# Altium PCB SEC_3002_DZ&HL.PcbDoc (part 2 of 7)
Units mm, origin at the board's own origin, x right, y up, seen from the top; angles counter-clockwise.
Board outline 200 x 170 mm, 2 copper layers (Top Layer, Bottom Layer); 589 components, 413 nets, 1696 pads, 1215 vias.
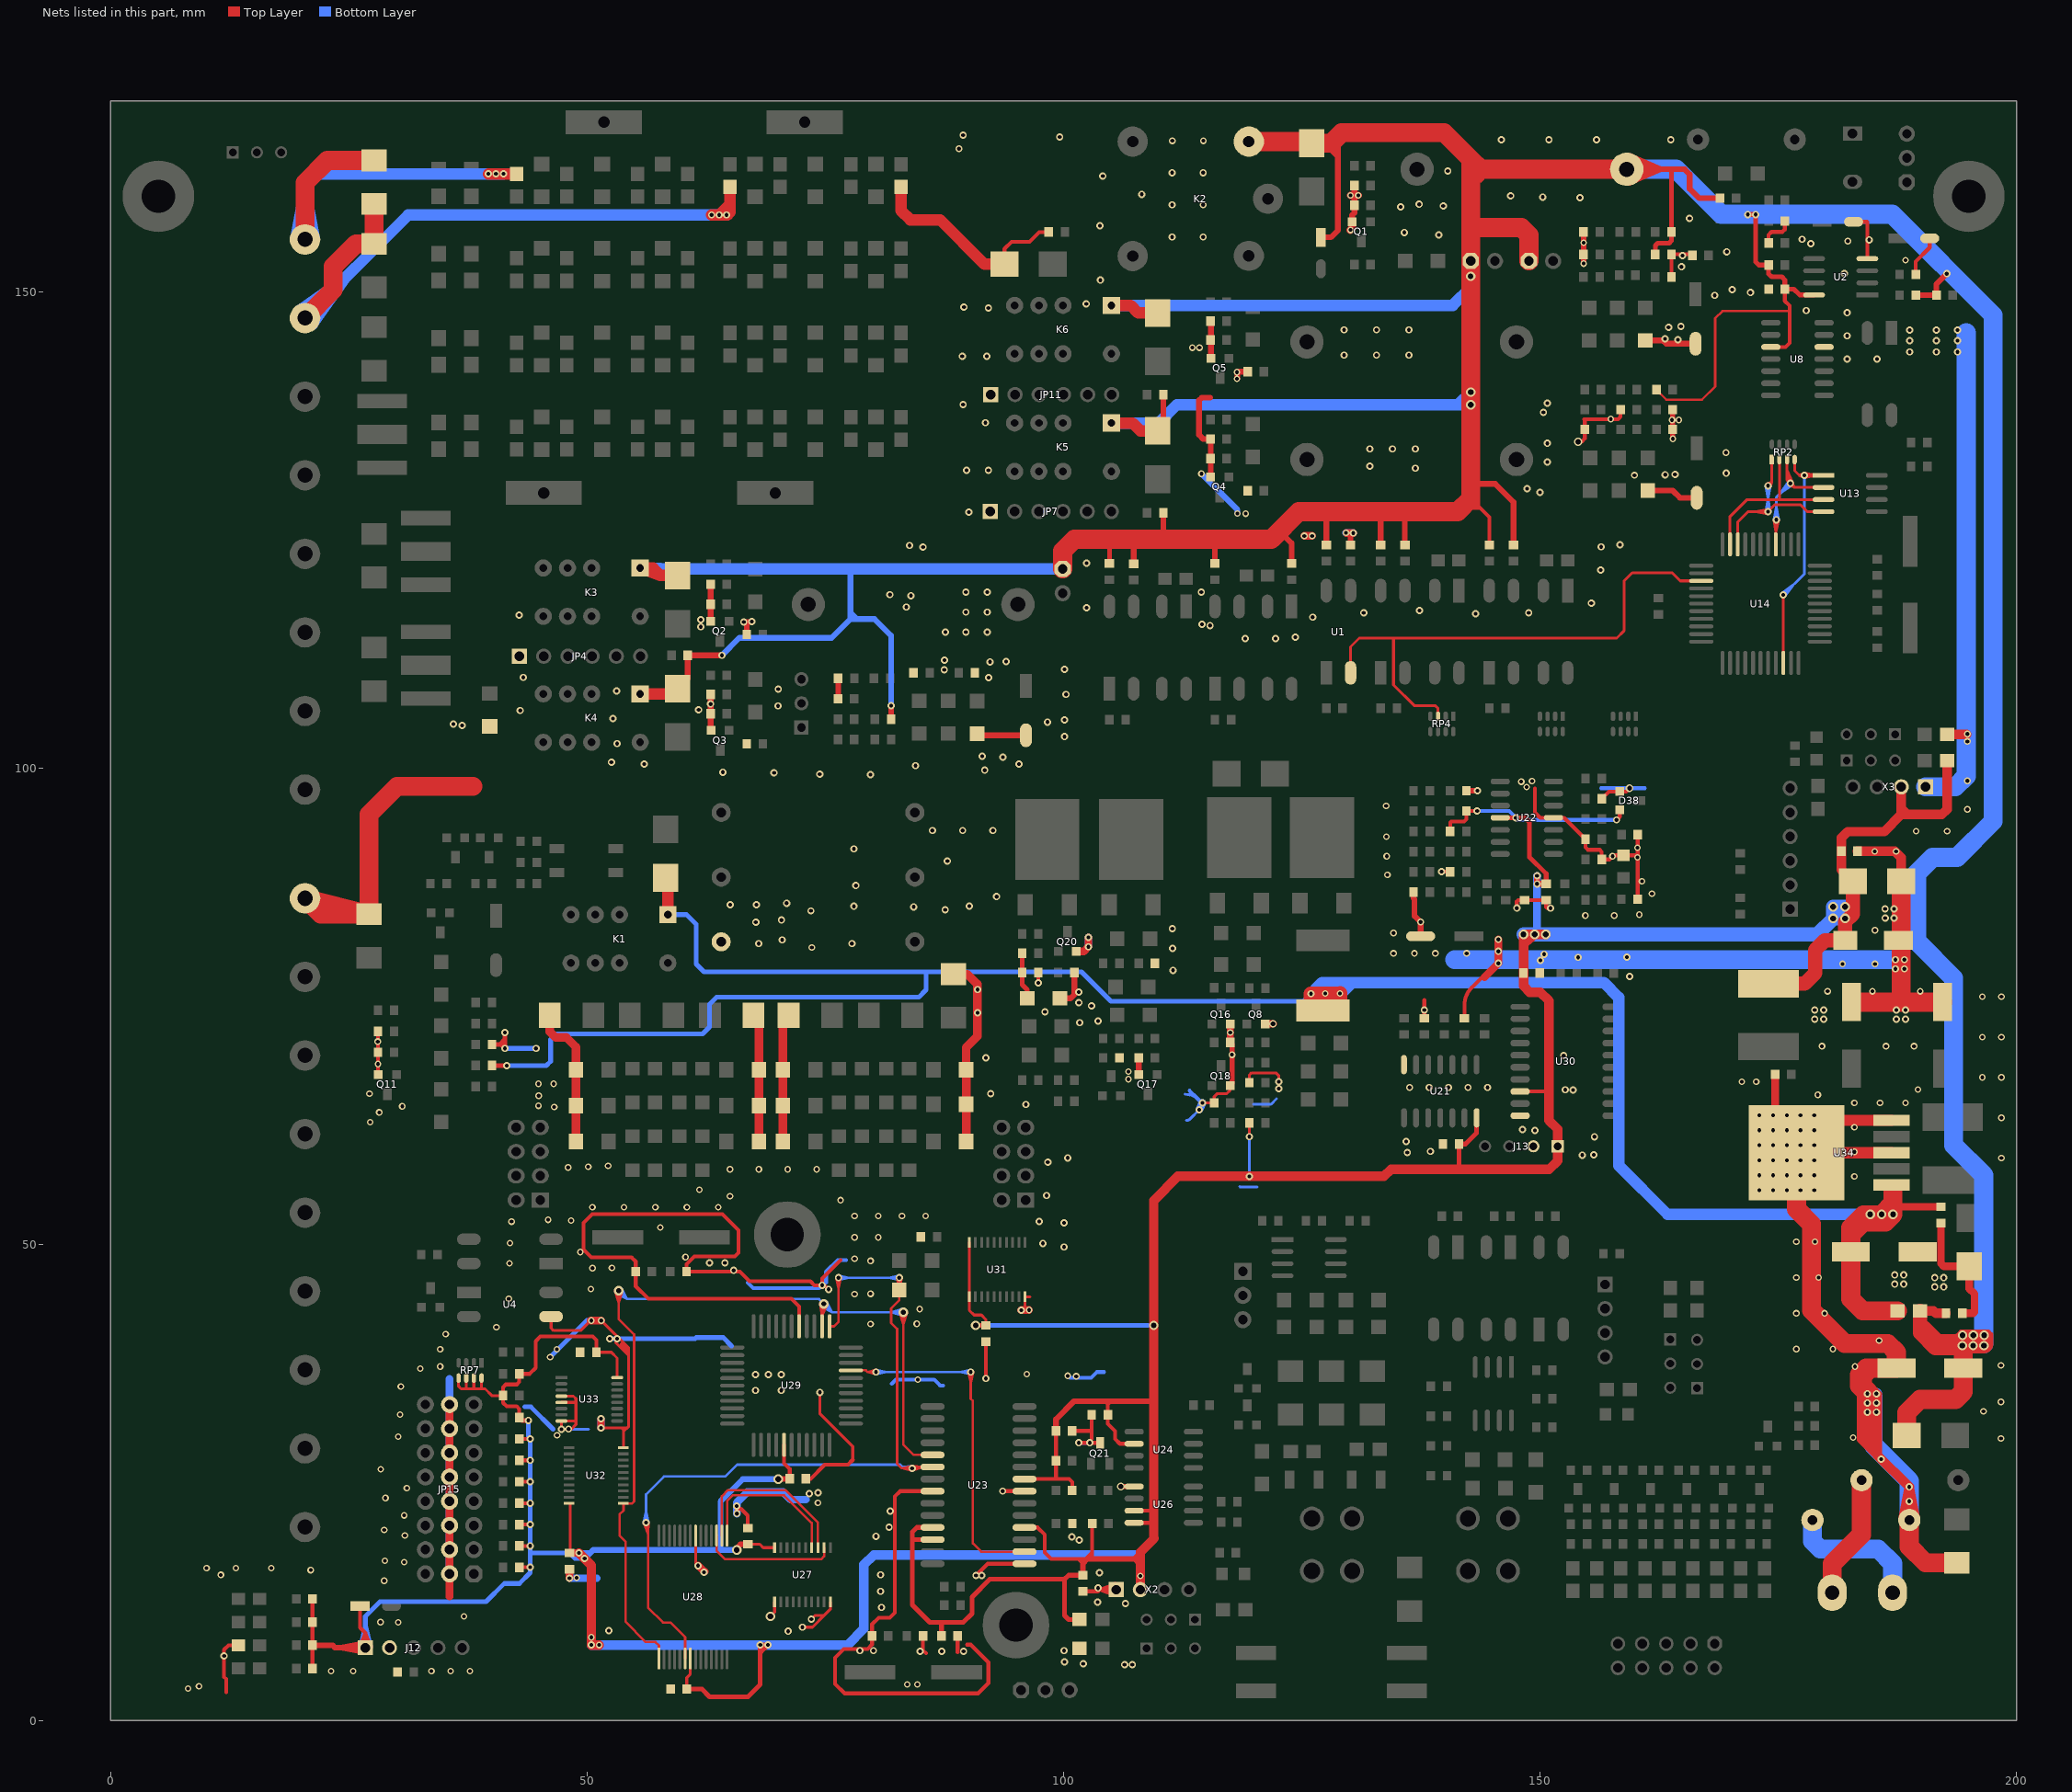
[diagram p2: the nets of this part, all layers, seen from the top]

## Part data
C1 C6 C8 C9 C10 C11 C12 C16 C17 C18 C19 C20 C22 C23 C24 C25 C26 C27 C28 C30 C31 C32 C33 C34 C35 C36 C37 C39 C40 C41 C42 C43 C44 C45 C46 C47 C48 C49 C50 C51 C52 C53 C55 C56 C57 C58 C59 C60 C61 C62 C63 C64 C65 C66 C67 C68 C69 C70 C72 C73 C79 C80 C81 C82 C83 C84 C85 C86 C87 C88 C89 C90 C91 C92 C93 C94 C95 C96 C97 UC1 UC2 UC3 UC4 UC5 UC6 UC7 UC8 UC9 UC10 VC1 VC2 VC3 VC4 VC5 VC6 VC7 VC8 VC9 VC10 VC11 VC12 VC13 VC14 VC15 VC16 VC17: library part CAP, "Capacitor"
C2 C4 C5 C7 C14 C15 C29 C38 C54 C71 C74 C75 C76 C77 C78: library part ELECTRO1, "Electrolytic Capacitor"
C3 C13: library part Cap, "Capacitor"
D1 D2 D3 D7 D10 D11 D14 D17 D22 D31 D32 D33 D34 D35 D36 D37 D44 D45 D46 D48 D49: library part DIODE_A, "Diode"
D4 D9: library part Diode, "Default Diode"
D5 D15 D20: library part DIODE, "Diode"
D6 D8 D12 D13 D16 D18 D19 D21 D23 D30: library part DIODE, "DIODE"
D24 D25 D26 D27 D28 D29 D47 D50 D51 D52 D53 D54 D55 D56: library part TVS
D41 D42 D43: library part TVS_SMALL
DB1: library part MB1S
DZ1 DZ2 DZ3 DZ4 DZ5 DZ6: library part ZENER3, "Zener Diode"
F1 F2 F3 F4: library part FUSE1, "Fuse"
F5 F6 F7: library part RXE110, "PTC"
G1 G2 G3: library part GDT
H1 H2 H3 H4 H5 H6 H7 H8: library part LED
J1: "Header, 3-Pin"
J2 J3 J4 J6 J7 J15: "Header, 2-Pin"
J5: library part J-6
J8: library part CON10, "Connector"
J9 J10: library part CON4, "Connector"
J12 J13 J14: "Connector"
JP2 JP3 JP6 JP10: library part JUMPER, "Jumper"
JP4 JP7 JP11: library part JUMP-6
JP15: library part "SW DIP8-3"
K1 K3 K4 K5 K6: library part RELAY-DPDT
K2: library part RELAY-SPDT
L1: library part L
L2 L3 L4 L5 L6 L7 L8 L10 L11 L12 L14 L15 L16 L18 L19 L20 L22 L23 L24 L25 L26 L27 L31 L37 L41 L45 L46 L47 L48 L49 L50 L51 L52 L53 L54 L55 L56 L57 L58 L59 L60 L61 L62 L63 L64 L65 L66 L67 L68 L69 L70 L71 L72 L73 L74: library part INDUCTOR
L9 L13 L17 L21: library part INDUCTOR2
L28 L29 L30 L32 L33 L34 L35 L36 L42 L43 L44: "60Ω-3A-[0805]"
L38 L39: library part "INDUCTOR IRON"
L40: library part INDUCTOR1
Q1 Q2 Q3 Q4 Q5 Q6 Q8 Q11 Q13 Q14 Q15 Q16 Q17 Q18 Q20 Q22 Q23 Q24 Q25 Q26 Q27 Q28: library part NPN, "NPN Transistor"
Q7 Q9: library part MOSFET-P, "P-channel mosfet"
Q10: library part PNP_A, "PNP Transistor"
Q12: library part PNP, "PNP Transistor"
Q19: library part MOSFET-N1
Q21: "2SA1015-[SOT-23]"
R1 R2 R3 R4 R5 R6 R7 R8 R9 R10 R11 R13 R14 R15 R16 R17 R18 R19 R20 R21 R22 R23 R24 R25 R27 R28 R29 R30 R31 R32 R33 R34 R35 R36 R38 R39 R40 R41 R42 R43 R44 R45 R46 R47 R49 R50 R51 R52 R53 R54 R55 R56 R57 R58 R59 R60 R61 R62 R63 R64 R65 R66 R67 R68 R69 R70 R71 R72 R74 R75 R76 R77 R78 R79 R81 R82 R83 R84 R85 R86 R87 R88 R89 R91 R92 R93 R94 R95 R96 R97 R98 R99 R100 R101 R102 R103 R104 R105 R106 R107 R108 R109 R110 R111 R112 R113 R114 R115 R116 R117 R118 R119 R120 R121 R122 R123 R124 R125 R126 R127 R128 R129 R130 R131 R132 R133 R134 R135 R136 R137 R138 R139 R140 R141 R142 R143 R144 R145 R146 R147 R148 R149 R150 R151 R152 R153 R154 R155 R156 R157 R158 R159 R160 R161 R162 R163 R164 R165 R166 R167 R168 R169 R170 R171 R172 R173 R175 R176 R177 R178 R179 R180 R181 R182 R183 R184 R185 R186 R187 R188 R189 R190 R191 R192 R193 R194 R195 R196: library part RES2
R73 R80: library part RES, "RES"
RP2 RP4 RP5 RP6 RP7: library part RP4, "RES PACK"
U1 U3 U4 U5 U6 U7 U9 U10 U11 U12 U16 U17 U18 U19 U20: library part TLP521-1
U2: library part ST393
U8: "Operational Amplifier"
U14: library part PIC16C74-04/PQ(44), "40-Pin EPROM-Based 8-Bit CMOS Microcontroller"
U15: library part MAX485
U21: library part 74LS14
U22: library part LM124
U24 U26: library part 6N137_1, "6N137-[DIP-8]"
U25: library part 82C250
U28: library part 62256_Type1_Forward
U29: library part STC89C51RD
U31: library part 74LS273
U32: library part 74LS245
U33: library part 74ALS138
X1 X2 X3: library part B0505S-1W, "B050S-1WR"
Y1 Y2 Y3: library part CRYSTAL, "Crystal"

## Free pads (board coordinates)
  round 7.5 hole 3.5: 0(5,160) 0(195,160)
  round 7 hole 3.5: 0(71,51) 0(95,10)
  rect 8x2.5 hole 1.2 slot 5 at 0 deg: 1(51.755,167.783) 2(72.826,167.783) 3(45.444,128.862) 4(69.738,128.862)

## Via types
v1: diameter 0.762, hole 0.406, Top Layer to Bottom Layer, tented both sides, 786 vias
v2: diameter 0.7, hole 0.4, Top Layer to Bottom Layer, tented both sides, 375 vias
v3: diameter 1, hole 0.6, Top Layer to Bottom Layer, tented both sides, 41 vias
v4: diameter 0.9, hole 0.5, Top Layer to Bottom Layer, tented both sides, 4 vias
v5: diameter 0.8, hole 0.5, Top Layer to Bottom Layer, tented both sides, 4 vias
v6: diameter 1.016, hole 0.508, Top Layer to Bottom Layer, tented both sides, 3 vias
v7: diameter 0.9, hole 0.6, Top Layer to Bottom Layer, tented both sides, 1 vias
v8: diameter 0.762, hole 0.5, Top Layer to Bottom Layer, tented both sides, 1 vias

## Nets (pads, with @x,y where several pads share a name; then routed paths per layer and width w, separated by ;. In a path a pad name is that pad's centre, name@x,y a point inside that pad or via, vN(x,y) a via of type N, cw(c..) or ccw(c..) an arc to the next point about the centre after c; other vN are vias at no path point)
9.1V: DZ3.K R113.1 R117.2 | length 4.9
  Top Layer w0.5: R117.2@95.651,80.541 R113.1@95.651,78.52 95.651,77.236 96.19,76.697 DZ3.K@96.19,75.816
24VGND: C1.2 C3.2 C4.2 C5.2 C6.2 C7.2 C8.2 C9.2 C10.2 C11.2 C15.2 C16.2 C17.2 C18.2 C29.2 C30.2 C31.2 C32.2 C33.2 C34.2 C35.2 C36.2 C37.1 C38.2 C39.1 C40.1 C41.1 C42.2 C43.2 C44.2 C45.1 C46.1 C47.1 C48.2 C49.2 C50.2 C52.2 C53.1 C54.2 C56.2 C58.1 C64.1 C65.1 C68.2 C69.2 C70.2 C72.2 C73.2 C74.2 C75.2 C76.2 C77.2 C78.2 C79.2 C80.2 C83.2 C97.2 D1.A D6.A D16.A D21.A D24.K D26.A D27.K D29.A D38.B D47.A D48.A D49.A D53.K DZ3.A H6.K J2.2 J12.2 J13.2 JP4.1 JP7.1 JP11.1 JP15.B1 JP15.B2 JP15.B3 JP15.B4 JP15.B5 JP15.B6 JP15.B7 JP15.B8 L35.1 L41.2 L43.1 L47.2 Q1.E Q2.E Q3.E Q4.E Q5.E Q8.E Q11.E Q16.E Q17.E Q18.E Q20.E Q21.3 R5.1 R6.2 R11.1 R15.1 R16.1 R20.2 R23.1 R24.2 R31.2 R35.2 R36.2 R41.2 R45.1 R46.2 R52.1 R53.2 R67.2 R84.2 R88.1 R89.2 R96.2 R98.1 R103.1 R111.1 R114.1 R116.1 R120.1 R125.1 R130.1 R136.1 R142.2 R143.2 R144.2 R152.1 R173.1 R175.1 U2.4 U4.3 U8.12 U21.7 U22.11 U23.8 U23.15 U23.21 U26.5 U27.1 U27.10 U28.14 U29.16 U30.10 U31.10 U32.10 U33.4 U33.5 U33.8 U34.0 U34.3 U34.5 UC1.2 UC2.2 UC3.2 UC4.2 UC5.2 UC6.2 UC7.2 UC8.2 UC9.2 UC10.2 VC17.1 X2.1 X3.1 | length 939.4
  Top Layer w0.3: U4.3@46.208,42.39 46.208,41.179 46.466,40.922 49.303,40.922 v2@50.363,41.981 ; U33.5@47.303,33.383 48.79,33.383 ; U33.4@47.303,34.033 48.559,34.033 48.819,33.773 48.819,31.061 48.314,30.555 v1(47.303,30.555) U33.8@47.303,31.433 48.814,31.433 ; v1(51.453,30.716) 53.567,30.716 ; v2(51.477,41.981) 54.355,39.104 54.355,38.718 ; 52.985,39.679 54.355,38.309 ; 53.554,39.519 54.355,38.718 ; U32.10@53.807,28.634 53.807,30.328 ; 54.116,30.716 53.567,30.716 ; v1@61.379,16.452 U28.14@61.379,19.407 ; v3(69.233,10.924) 69.666,11.357 U27.1@69.666,12.433 ; v1(72.595,9.792) 73.645,9.792 74.883,11.03 ; v1(73.529,10.619) 73.941,11.03 74.883,11.03 ; v1(74.411,34.441) 74.411,32.222 77.87,28.763 77.87,27.357 ; U27.10@75.516,12.433 75.516,11.663 74.883,11.03 ; 95.949,43.136 U31.10@95.949,44.479 96.48,44.479 ; v1(114.563,64.831) R103.1@115.803,64.831 115.803,65.478 116.131,65.807 117.125,65.807 117.485,66.167 Q18.E@117.485,66.657 ; R116.1@119.487,66.947 119.487,67.748 119.722,67.983 122.282,67.983 122.57,67.695 v1(122.57,67.052) v1(122.57,66.319) ; 53.567,30.716 53.807,30.475 53.807,30.328 ; 53.807,30.328 54.355,30.876 54.355,38.309 ; 54.355,38.309 54.355,38.718
  Top Layer w0.4: 12.112,2.961 12.112,4.341 11.891,4.562 v1(11.891,6.782) 11.891,7.423 12.357,7.889 H6.K@13.386,7.889 ; Q11.E@28.039,67.829 R52.1@28.039,70.137 C11.2@28.039,72.346 ; 61.411,44.258 59.17,44.258 ; v1(65.696,22.492) 65.706,22.481 v1(65.706,21.713) ; v1@65.709,22.227 66.146,22.227 66.86,21.513 C72.2@66.86,20.192 ; U29.16@72.237,41.371 72.237,43.452 71.431,44.258 59.17,44.258 ; UC8.2@72.953,25.363 73.445,25.363 74.924,26.841 77.354,26.841 77.87,27.357 ; v1(75.348,45.25) 74.913,45.685 v1(74.659,45.685) ; 76.578,48.317 74.659,46.398 v1(74.659,45.685) ; C65.1@85.239,8.862 85.239,7.368 85.556,7.05 ; U23.8@86.24,24.065 82.838,24.065 82.284,23.512 82.284,11.304 81.757,10.776 80.587,10.776 79.898,10.088 C64.1@79.898,8.862 79.898,7.962 79.434,7.497 76.917,7.497 76.009,6.589 76.009,3.839 77.011,2.836 91.019,2.836 92.109,3.926 92.109,6.091 90.243,7.957 89.848,7.957 ; 88.88,7.157 UC5.2@88.88,8.862 ; v1(91.413,15.223) v1(90.807,15.223) 92.03,16.445 U23.15@95.892,16.445 ; v1(91.842,35.896) UC3.2@91.842,39.769 ; v1@93.604,24.065 U23.21@95.892,24.065 ; D1.A@93.793,152.866 93.793,154.475 94.532,155.215 96.411,155.215 97.44,156.244 ; 97.705,156.244 97.44,156.244 ; C1.2@98.436,156.244 97.44,156.244 ; C58.1@100.898,30.396 102.858,30.396 ; v1(101.58,29.145) v1(102.739,29.145) Q21.3@103.831,29.145 ; C68.2@102.025,13.546 103.597,13.546 v1@103.777,13.726 ; 102.94,29.545 UC2.2@102.94,32.077 ; X2.1@105.415,13.135 v1@103.777,13.726 ; X2.1@105.415,14.317 v1@103.777,13.726 ; C36.2@137.853,73.713 v1(137.853,74.57) 137.853,75.611 ; v1(139.666,89.093) R130.1@140.568,89.093 ; C35.2@142.07,73.713 142.07,75.116 cw(c144.61,75.116) 142.813,76.912 145.244,79.343 ; v1(147.564,85.275) 147.564,85.982 147.699,86.117 C52.2@148.364,86.117 ; C52.2@148.688,86.117 UC1.2@150.646,86.117 150.646,85.37 150.787,85.229 v1@151.116,85.229 ; 149.462,97.84 149.462,95.311 150.018,94.755 U22.11@151.414,94.755 152.525,94.755 C56.2@154.773,92.507 154.773,91.645 155.019,91.399 156.252,91.399 156.473,91.177 C53.1@156.473,90.382 157.29,90.382 157.726,90.818 C54.2@158.774,90.818 v2@160.2,90.818 ; v7(154.006,134.221) 154.369,134.221 154.694,134.546 C16.2@154.694,135.529 154.694,136.504 154.619,136.579 158.183,136.579 158.456,136.852 C17.2@158.456,137.609 ; R136.1@156.473,96.756 157.221,97.503 D38.B@158.367,97.503 159.04,97.503 v5(159.394,97.857) ; R142.2@160.238,86.206 160.252,86.221 R144.2@160.252,93 ; C30.2@163.794,151.516 C33.2@163.794,153.9 R84.2@165.871,153.9 ; R16.1@173.989,155.09 173.989,155.951 174.292,156.254 175.441,156.254 175.689,156.503 R15.1@175.689,157.388 ; C5.2@182.91,157.313 184.316,157.313 184.352,157.277 U2.4@184.352,153.447 ; R11.1@189.436,151.793 189.436,153.155 190.897,154.617 C4.2@190.897,155.578 ; 59.17,44.258 56.417,44.258 55.091,45.583 C69.2@55.091,47.12 55.091,48.162 54.654,48.599 50.45,48.599 49.604,49.445 49.604,52.23 50.517,53.142 64.199,53.142 65.87,51.471 65.87,49.087 65.491,48.708 61.233,48.708 60.422,47.897 C70.2@60.422,47.12 66.012,47.12 67.041,46.091 73.429,46.091 73.834,45.685 v1(74.659,45.685) ; v1@103.777,13.726 X2.1@105.519,13.726 v1@103.777,13.726
  Top Layer w0.5: R53.2@40.01,70.958 40.848,70.958 ; v1(41.373,72.221) 41.373,71.483 ; v5(106.007,24.559) U26.5@107.402,24.559 ; R111.1@117.503,71.18 117.689,70.993 Q18.E@117.689,66.861 ; v2@163.919,134.558 R41.2@163.919,135.529 R67.2@163.919,137.609 ; 40.848,70.958 41.373,71.483 ; 40.848,70.958 40.961,70.958 v1(41.373,70.547) 41.373,71.483
  Top Layer w0.6: Q3.E@62.957,103.964 R36.2@62.957,105.696 C10.2@62.957,107.704 ; Q2.E@62.957,115.396 R23.1@62.957,117.178 C9.2@62.957,119.266 ; v1(66.434,115.311) v1@67.237,115.311 ; R24.2@66.744,114.002 66.744,115.001 ; R31.2@76.338,107.256 C8.2@76.338,109.385 ; D6.A@90.938,103.577 91.1,103.415 C7.2@96.046,103.415 ; DZ3.A@99.619,75.816 100.73,75.816 101.123,76.209 R120.1@101.123,78.52 ; Q17.E@107.89,67.816 R114.1@107.89,69.552 ; 115.406,138.851 114.481,138.851 114.214,138.584 114.214,134.956 114.653,134.516 C18.2@115.416,134.516 115.434,134.498 Q4.E@115.434,130.513 ; R88.1@115.416,146.909 115.46,146.866 Q5.E@115.46,142.97 ; v2@118.234,140.833 118.234,141.581 R89.2@119.323,141.581 ; R6.2@130.117,123.396 v1@130.117,124.643 ; Q1.E@130.288,157.321 130.288,158.021 130.522,158.254 C3.2@130.522,159.038 130.522,160.097 R5.1@130.522,161.124 ; C37.1@136.725,86.968 136.725,86.3 136.832,86.193 136.832,84.455 v1(137.467,83.82) C38.2@137.467,82.323 ; R125.1@142.268,97.591 v1(143.424,97.591) ; v2(154.569,152.933) R96.2@154.569,153.9 C31.2@154.569,156.255 ; D21.A@161.059,144.873 162.88,144.873 163.233,144.521 C29.2@166.324,144.521 ; D16.A@161.303,129.109 163.92,129.109 164.679,128.35 C15.2@166.448,128.35
  Top Layer w0.7: Q16.E@117.485,73.118 117.485,71.198 R111.1@117.503,71.18
  Top Layer w0.8: 35.558,13.002 JP15.B1@35.558,15.387 JP15.B2@35.558,17.927 JP15.B3@35.558,20.467 JP15.B4@35.558,23.007 JP15.B5@35.558,25.547 JP15.B6@35.558,28.087 JP15.B7@35.558,30.627 JP15.B8@35.558,33.167 ; v1(48.141,14.935) UC6.2@48.141,15.877 ; v2@50.363,41.981 v2(50.435,41.981) v2(51.477,41.981) ; v1(51.453,30.716) v1(51.453,31.66) ; v1@61.653,16.281 v1@62.318,15.616 ; v1(95.548,43.056) 95.579,43.087 v2(96.376,43.087) ; Q20.E@101.346,80.721 102.115,80.721 v1(102.607,81.213) ; v1@102.607,81.198 v1(102.607,81.213) ; v1(102.607,82.198) v1(102.607,81.213) ; Q8.E@121.144,73.118 v8(121.985,73.118) ; v2(125.261,124.348) v2(126.087,124.348) ; v2@129.675,124.643 130.117,124.643 v1(130.407,124.643) ; v2(130.1,156.459) 130.288,156.647 Q1.E@130.288,157.321 ; v2(130.112,160.097) 130.522,160.097 v2(130.918,160.097) ; 144.168,78.018 v1(145.631,79.481) v1(145.631,80.735) v1(145.631,81.988) ; U34.0@174.681,61.84 C80.2@174.681,67.82 ; C73.2@192.071,52.222 192.071,47.967 192.378,47.66 D49.A@195.043,47.66 195.043,45.34 195.598,44.785 195.598,42.866 195.466,42.735 C79.2@194.306,42.735
  Top Layer w0.9: D27.K@46.07,74.005 46.07,72.309 46.68,71.699 47.808,71.699 48.81,70.697 C45.1@48.81,68.316 C46.1@48.81,64.55 C47.1@48.81,60.785 ; C50.2@68.035,60.785 C49.2@68.035,64.55 C48.2@68.035,68.316 D29.A@68.035,73.903 ; C44.2@70.535,60.785 D26.A@70.535,73.952 ; D24.K@88.424,78.346 89.882,78.346 90.939,77.29 90.939,71.829 89.761,70.652 C39.1@89.761,68.316 ; C41.1@89.78,60.785 C39.1@89.78,68.316
  Top Layer w1: C83.2@183.317,91.237 187.23,91.237 187.903,90.564 D48.A@187.903,88.085 ; 183.53,34.846 183.766,34.61 183.766,29.503 185.2,28.068 ; 184.901,36.525 184.369,35.992 184.315,35.992 184.315,35.319 185.415,34.22 185.415,27.854 ; 185.2,33.746 185.2,28.068 ; L41.2@188.091,21.1 v1(188.756,24.512) ; L41.2@188.756,21.036 v1(188.756,24.512) ; L41.2@189.421,21.1 v1(188.756,24.512) ; L43.1@192.728,103.521 v2@194.758,103.521 ; 185.2,28.068 185.415,27.854 ; 185.415,27.854 v1(188.756,24.512)
  Top Layer w1.2: L47.2@82.934,160.982 82.934,158.499 83.914,157.519 87.042,157.519 91.695,152.866 D1.A@93.793,152.866 ; U34.0@176.926,59.594 U34.3@186.88,59.594 ; U34.0@180.326,62.994 U34.5@186.88,62.994
  Top Layer w2: 37.982,98.063 30.047,98.063 27.094,95.11 D53.K@27.094,84.631 ; U34.0@176.926,59.594 176.926,53.674 178.5,52.1 178.5,43.06 181.997,39.563 186.501,39.563 187.404,38.659 C75.2@187.404,36.983 184.232,36.983 183.53,36.281 183.53,35.123 v1(184.357,34.296) v1(184.357,33.33) v1(184.357,32.364) 184.357,29.941 ; C76.2@182.682,75.403 C77.2@192.245,75.403 ; 187.913,75.502 D48.A@187.913,88.085 ; D47.A@193.73,16.54 190.46,16.54 188.756,18.243 ; J2.2@20.387,86.305 22.061,84.631 ; J2.2@20.387,86.305 D53.K@27.094,84.631 ; J2.2@20.387,86.305 22.061,84.631 ; 22.061,84.631 D53.K@27.094,84.631 ; 188.756,18.243 L41.2@188.756,21.036 188.756,18.243
  Bottom Layer w0.3: v1(47.303,30.555) 50.131,30.555 ; 112.749,65.728 cw(c112.749,63.513) 113.918,65.394 cw(c112.749,63.513) 114.315,65.079 v1(114.563,64.831) ; 112.908,62.975 ccw(c112.908,63.444) 113.24,63.112 v1(114.232,64.105) v1@114.283,64.155 ; 118.497,56.042 118.558,55.98 120.291,55.98 ; 119.917,64.686 121.778,64.686 122.349,65.257
  Bottom Layer w0.4: 66.83,45.962 67.423,45.369 74.343,45.369 v1(74.659,45.685) ; 75.073,45.953 75.073,47.093 76.297,48.317 77.168,48.317 ; 81.976,35.355 82.392,35.772 v2(84.701,35.772) 86.417,35.772 87.046,35.142 87.347,35.142 ; v1(91.413,15.223) v1@91.511,15.223 ; v2@100.646,35.962 102.886,35.962 103.491,36.567 104.259,36.567 ; v1(101.58,29.145) v1(102.739,29.145) ; 113.211,66.101 113.918,65.394 114.481,64.831 v1(114.563,64.831) ; 145.244,79.343 ccw(c145.078,79.508) v1@145.312,79.508 ; v1@147.564,85.264 v1(147.564,85.275) ; 156.429,97.857 v5(159.394,97.857) 161,97.857
  Bottom Layer w0.5: v1(41.373,70.547) v1@44.8,70.547 ; v1(41.373,72.221) v1@41.373,72.262 ; 43.429,32.913 44.083,32.913 46.441,30.555 ; v2@46.121,38.14 49.963,41.981 v2(50.435,41.981) v2(51.477,41.981) ; v1(52.356,40.058) v1(53.127,40.058) 61.321,40.058 61.45,40.187 64.281,40.187 65.161,39.307
  Bottom Layer w0.6: v2(114.462,130.866) 118.241,127.087 v2(118.241,126.701)
  Bottom Layer w0.8: JP15.B1@35.558,15.387 JP15.B2@35.558,17.927 JP15.B3@35.558,20.467 JP15.B4@35.558,23.007 JP15.B5@35.558,25.547 JP15.B6@35.558,28.087 JP15.B7@35.558,30.627 JP15.B8@35.558,33.167 35.558,35.839 ; v1(48.141,14.935) 51.008,14.935 ; v1(51.453,30.716) v1(51.453,31.66) ; v1(65.706,21.713) 65.706,22.866 66.803,23.962 70.559,23.962 71.335,23.185 72.94,23.185 ; v1(102.607,81.213) v1(102.607,82.198) ; v1@114.283,64.155 v1(114.563,64.831) ; v2(129.644,124.674) 129.675,124.643 v1(130.407,124.643)
  Bottom Layer w1.2: v1(184.357,32.364) v1(184.357,33.33) v1(184.357,34.296) v1(185.305,34.296) v1(185.305,33.33) v1(185.305,32.364) 184.946,32.364 v1(184.357,32.364)
  Bottom Layer w2: 141.069,79.862 v1(187.29,79.862) ; 184.946,33.967 184.946,32.364 184.946,28.957 188.756,25.147 L41.2@188.756,21.036 ; X3.1@190.459,97.997 193.591,97.997 194.722,99.127 194.722,145.662
  other v1: 106.401,5.857 107.208,5.857 102.055,5.954 100.092,6.15 84.932,7.249 87.215,7.249 89.497,7.249 78.606,7.321 80.044,7.321 100.042,7.328 71.085,9.361 52.271,9.426 80.898,11.863 106.489,12.275 103.575,12.423 80.793,13.547 103.63,13.898 80.793,15.284 103.759,15.503 62.267,15.565 61.635,16.249 101.627,18.932 100.871,19.284 80.319,19.336 81.688,20.284 81.793,21.968 188.756,23.002 73.32,23.81 74.215,23.915 93.599,24.071 185.808,27.417 67.669,34.642 70.377,34.642 67.669,36.318 69.023,36.318 70.377,36.318 191.428,45.509 192.376,45.509 187.232,45.794 188.179,45.794 191.428,46.475 192.376,46.475 187.232,46.76 188.179,46.76 65.369,47.244 62.846,48.026 64.455,48.026 100.057,49.693 97.829,50.075 100.057,52.24 97.447,52.368 98.211,55.106 173.011,55.652 174.454,55.652 175.898,55.652 177.342,55.652 178.785,55.652 173.011,57.228 174.454,57.228 175.898,57.228 177.342,57.228 178.785,57.228 98.338,58.608 173.011,58.805 174.454,58.805 175.898,58.805 177.342,58.805 178.785,58.805 100.439,59.054 154.441,59.342 155.629,59.371 136.076,59.605 138.494,59.736 173.011,60.381 174.454,60.381 175.898,60.381 177.342,60.381 178.785,60.381 135.945,60.781 155.718,61.272 149.45,61.926 173.011,61.958 174.454,61.958 175.898,61.958 177.342,61.958 178.785,61.958 148.173,62.015 173.011,63.534 174.454,63.534 175.898,63.534 177.342,63.534 178.785,63.534 96.046,64.658 92.352,65.804 153.46,66.173 152.643,66.206 136.309,66.442 138.355,66.442 140.401,66.442 142.447,66.442 144.492,66.442 91.843,69.561 152.48,69.8 44.629,70.549 101.688,73.25 103.617,73.416 178.834,73.613 179.782,73.613 187.402,73.613 188.35,73.613 90.979,74.289 98.04,74.395 178.834,74.579 179.782,74.579 187.402,74.579 188.35,74.579 102.925,75.015 101.607,75.34 101.586,76.455 90.979,76.725 159.402,78.086 111.475,78.74 187.294,78.896 188.242,78.896 150.044,79.779 188.237,79.862 153.995,80.106 159.105,80.136 150.431,80.433 111.427,81.053 68.002,81.55 77.783,81.544 70.468,81.936 111.41,83.122 67.694,83.785 70.391,84.016 186.22,84.214 187.168,84.214 87.573,85.095 186.216,85.18 187.163,85.18 151.116,85.267 84.26,85.403 77.993,85.467 90.116,85.48 64.997,85.634 67.771,85.634 70.93,85.788 92.967,86.482 78.203,87.638 87.807,90.209 77.993,91.491 86.229,93.42 89.405,93.42 92.58,93.42 79.721,99.279 74.403,99.331 69.612,99.489 64.241,99.542 91.725,99.753 84.459,100.227 55.975,100.384 95.305,100.384 52.54,100.596 93.616,101.116 91.457,101.221 53.132,102.543 100.092,103.275 36.863,104.439 35.968,104.597 98.302,104.802 100.097,105.018 52.711,105.176 42.97,106.018 61.698,106.079 70.022,106.501 62.949,106.7 100.255,107.703 53.079,108.072 70.049,108.256 92.142,109.463 43.286,109.493 87.473,110.275 100.097,110.336 92.263,111.127 93.969,111.168 87.493,111.31 122.235,113.556 119.066,113.58 124.323,113.703 87.6,114.243 89.745,114.243 91.983,114.243 61.925,114.799 115.371,114.939 114.531,115.064 67.282,115.356 61.912,115.555 126.14,115.816 42.865,116.022 143.236,116.184 131.495,116.282 148.812,116.282 89.745,116.342 91.983,116.342 137.341,116.504 102.413,116.812 83.499,116.871 155.383,117.283 83.985,118.075 81.774,118.181 114.45,118.434 89.745,118.441 91.983,118.441 156.356,120.768 102.413,121.498 85.249,123.182 156.41,123.2 83.827,123.34 158.382,123.416 90.063,126.829 150.006,128.928 148.655,129.306 163.137,130.765 164.164,130.792 169.541,130.927 89.802,131.224 92.108,131.224 136.903,131.445 132.138,131.656 150.763,132.09 169.514,133.089 132.138,133.478 134.52,133.478 136.903,133.478 150.763,134.062 91.803,136.228 150.357,137.304 89.454,138.143 150.763,138.277 182.226,142.923 185.377,142.923 89.367,143.19 91.934,143.19 129.443,143.32 132.837,143.32 136.232,143.32 188.794,143.664 191.594,143.664 193.805,143.664 188.794,144.843 191.594,144.843 193.805,144.843 164.461,144.95 163.107,145.022 182.226,145.346 188.794,145.948 191.594,145.948 193.805,145.948 129.443,145.975 132.837,145.975 136.232,145.975 163.489,146.247 164.786,146.328 182.226,147.768 177.946,148.006 92.108,148.281 89.541,148.368 102.377,148.716 168.347,149.591 172.081,149.895 170.157,150.207 103.857,151.197 181.933,151.876 164.84,152.597 164.948,153.759 169.605,154.171 178.429,155.027 182.305,155.295 184.552,155.429 177.49,155.48 111.384,155.721 114.648,155.721 139.365,155.94 135.753,156.201 103.813,156.897 165.696,157.677 135.361,158.898 139.843,158.986 111.384,159.098 114.648,159.098 137.319,159.159 154.19,159.86 150.272,159.914 146.922,160.049 108.208,160.204 104.118,162.118 111.384,162.474 114.648,162.474 140.322,162.641 89.018,164.99 145.949,165.939 150.934,165.939 155.919,165.939 163.727,165.939 99.592,166.209 89.453,166.426